# Altium PCB RCJ22_driverboard_2.PcbDoc (part 3 of 3)
Units mm, origin at the board's own origin, x right, y up, seen from the top; angles counter-clockwise.
Board outline 91 x 109.68 mm, 4 copper layers (Top Layer, Layer 1, Layer 2, Bottom Layer), stack 1.283 mm thick; 182 components, 135 nets, 669 pads, 306 vias.
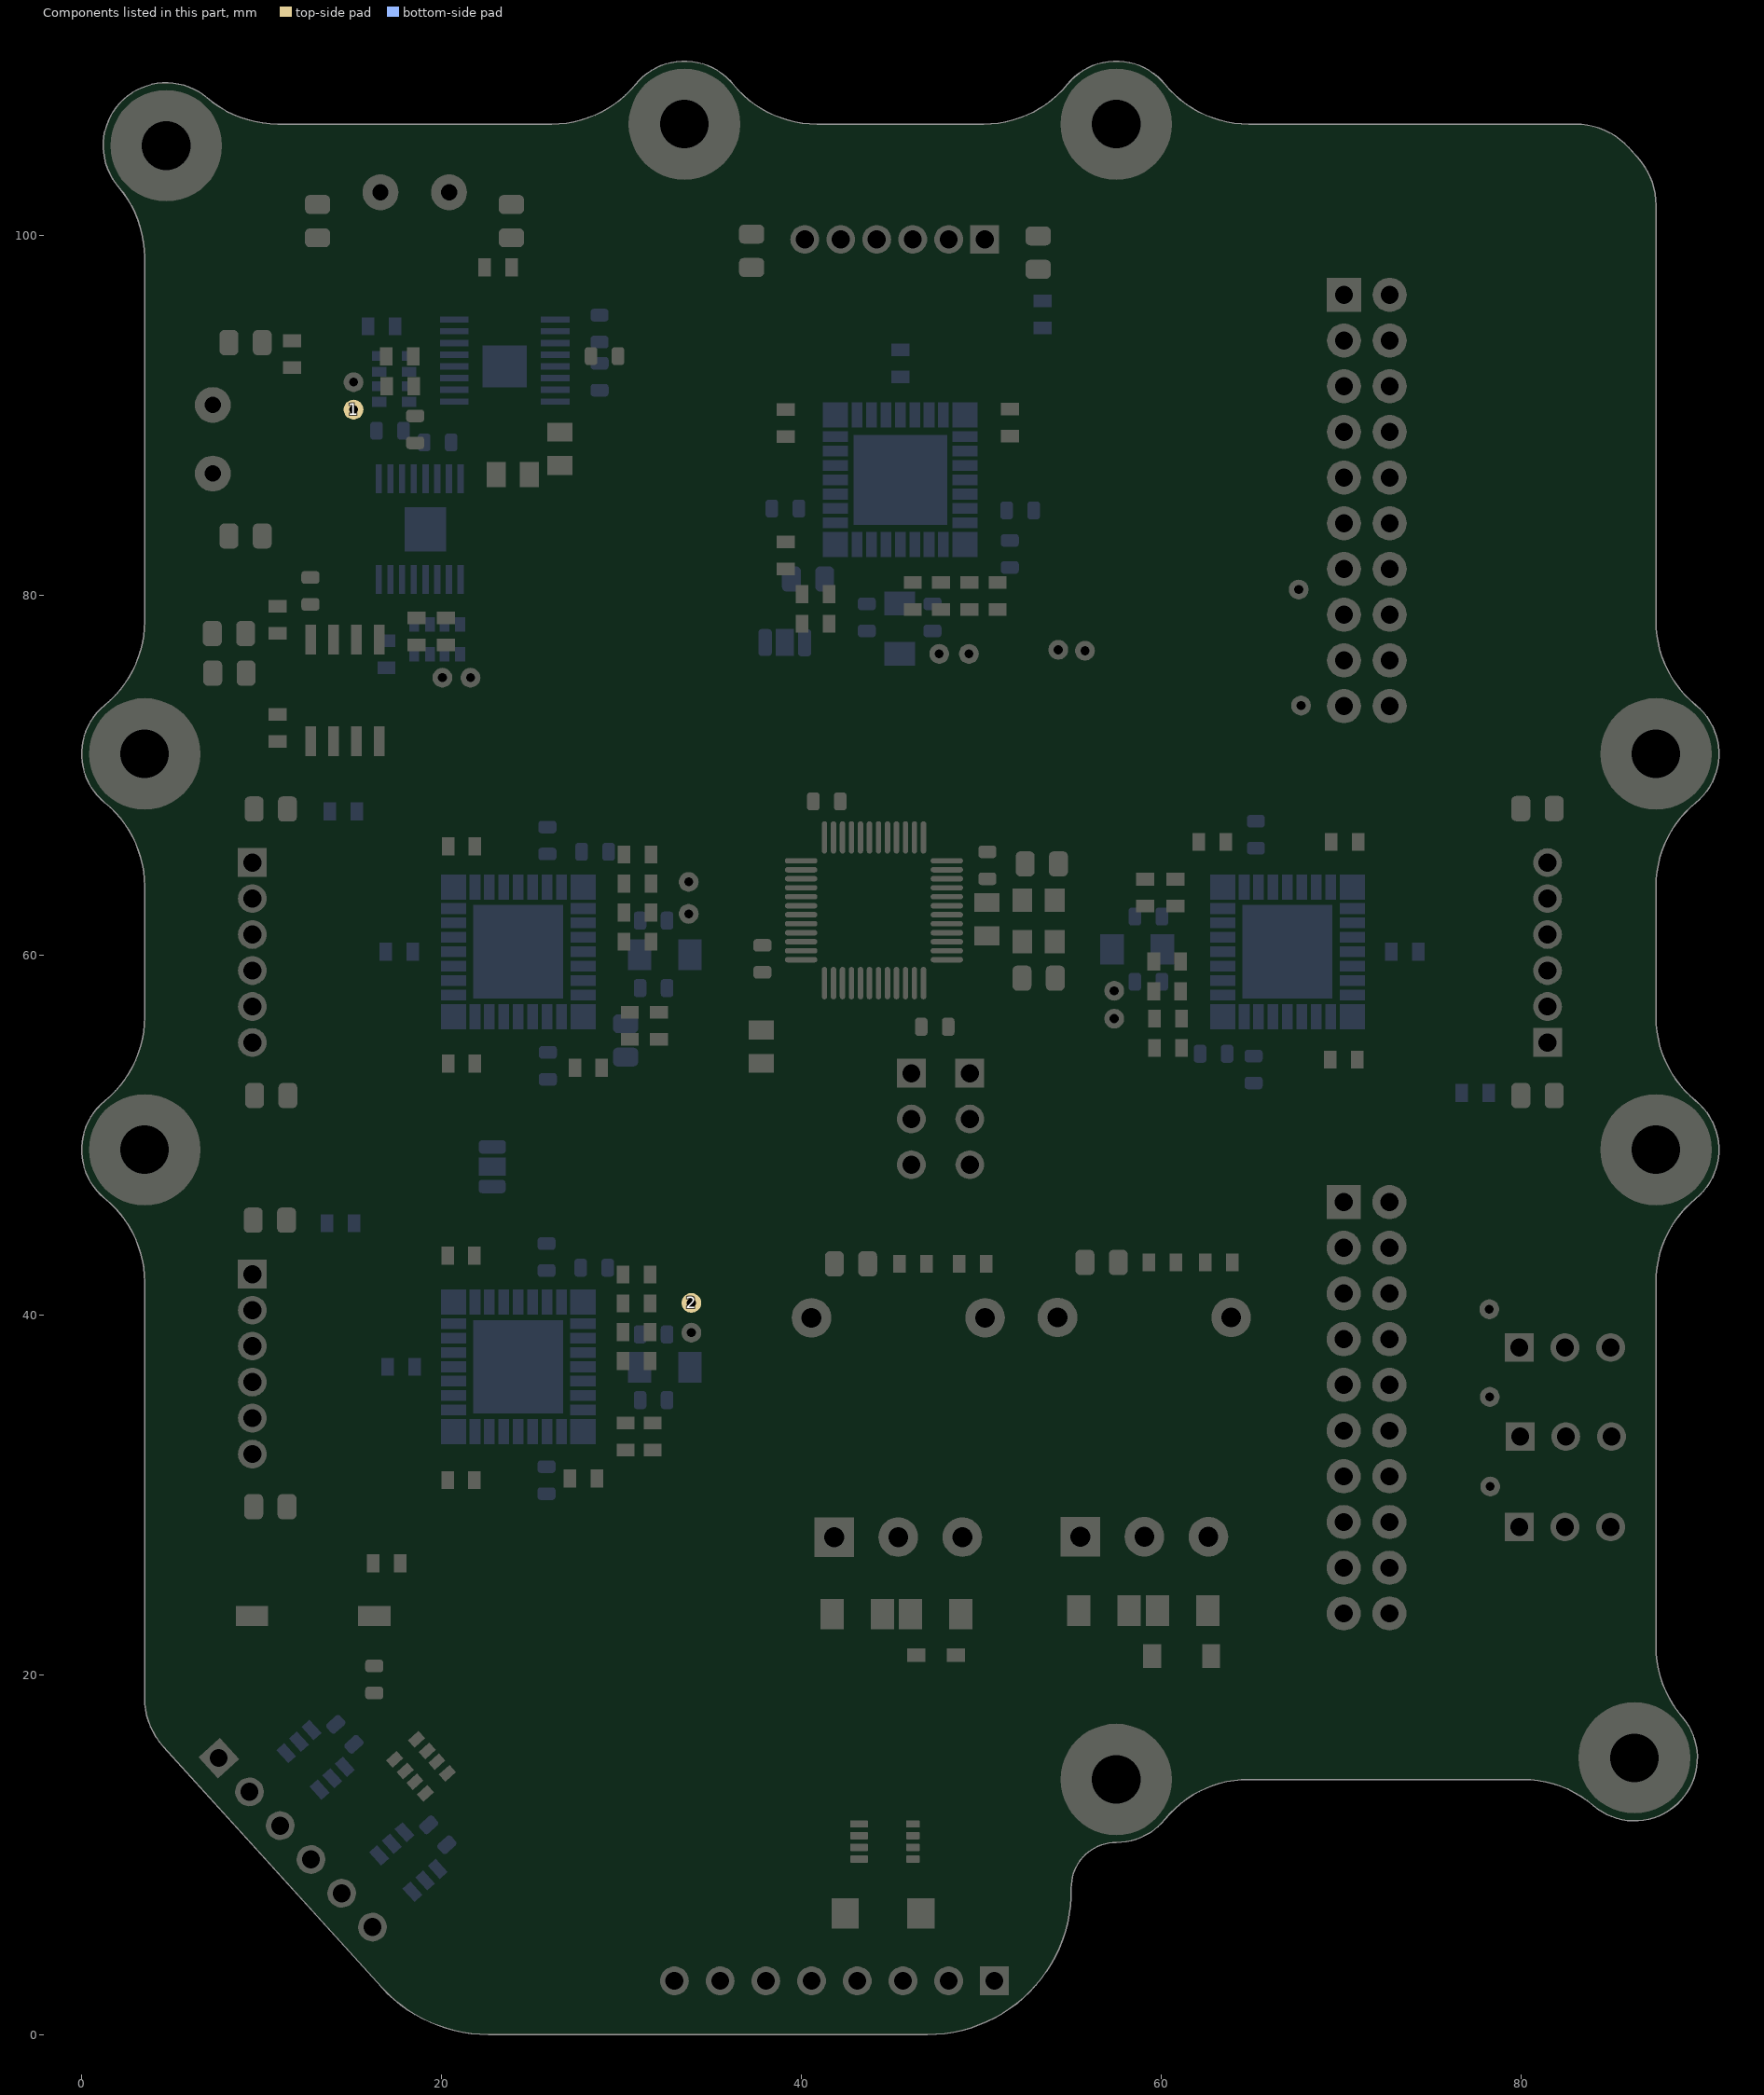
[diagram p5: the components of this part, seen from the top]

## Polygon pours and split planes (outlines as drawn)
GND on Bottom Layer "Bottom Layer-GND" (solid, remove dead copper, pour order 41): 0,111.559 0,0 89.575,0 89.575,110.059
+14,4В on Bottom Layer "Bottom Layer-+14,4В" (solid, pour order 21): 25.526,67.388 25.517,63.013 26.4,63.013 26.4,64.713 28.975,64.712 28.975,61.388 27.2,61.388 27.175,61.363 27.175,58.988 27.2,58.963 28.975,58.963 28.975,55.438 26.4,55.438 26.4,57.313 26.425,57.338 26.35,57.413 25.675,57.413 25.675,53.988 26.225,53.438 32.136,53.437 32.136,67.387
+14,4В on Bottom Layer "Bottom Layer-+14,4В 6" (solid, pour order 25): 27.51,53.763 27.51,44.225 32.125,44.225 32.125,53.733
NetDD10_10 on Bottom Layer "Bottom Layer-NetDD10_10" (solid, pour order 16): 5.5,88.575 9.3,88.575 10.925,86.95 16.125,86.95 16.125,87.475 16.825,87.475 16.825,85.5 16.9,85.503 17.425,85.503 17.425,88.965 15.135,88.965 11.45,92.65 5.5,92.65
MOTOR4_1 on Bottom Layer "Bottom Layer-MOTOR4_2 1" (solid, pour order 36): 12.725,52.675 15.3,50.1 22.75,50.1 25.45,52.8 25.45,57.4 22.425,57.4 22.425,55.45 19.93,55.45 19.105,56.275 8.1,56.275 7.875,56.05 7.875,52.65 12.7,52.65
+14,4В on Bottom Layer "Bottom Layer-+14,4В 1" (solid, remove dead copper, pour order 28): 17.4,88.975 17.4,85.6 18.125,85.6 18.125,87.425 22.935,87.425 27.825,82.535 27.825,79.9 32.175,79.9 32.175,83.667 26.092,89.75 18.175,89.75
NetDD11_8 on Bottom Layer "Bottom Layer-NetDD11_8" (solid, pour order 10): 21.6,95.025 21.625,95.05 21.625,96.025 18.275,99.375 18.275,104.359 14.525,104.359 14.525,96.875 16.375,95.025 19.725,95.025
+14,4В on Bottom Layer "Bottom Layer-+14,4В" (solid, pour order 23): 52.713,85.154 48.338,85.163 48.338,84.28 50.038,84.28 50.037,81.705 46.713,81.705 46.713,83.48 46.688,83.505 44.313,83.505 44.288,83.48 44.288,81.705 40.763,81.705 40.763,84.28 42.638,84.28 42.663,84.255 42.738,84.33 42.738,85.005 39.313,85.005 38.763,84.455 38.762,79.105 52.713,79.105
+14,4В on Bottom Layer "Bottom Layer-+14,4В" (solid, pour order 24): 65.774,52.963 65.783,57.338 64.9,57.338 64.9,55.638 62.325,55.638 62.325,58.963 64.1,58.963 64.125,58.987 64.125,61.363 64.1,61.387 62.325,61.387 62.325,64.912 64.9,64.912 64.9,63.037 64.875,63.013 64.95,62.937 65.625,62.937 65.625,66.363 65.075,66.912 59.725,66.913 59.725,52.963
+14,4В on Bottom Layer "Bottom Layer-+14,4В" (solid, pour order 5): 24.979,44.35 24.971,39.975 26.675,39.975 26.675,41.675 28.825,41.675 28.825,38.35 27.05,38.35 27.025,38.325 27.025,35.95 27.05,35.925 28.825,35.925 28.825,32.4 26.25,32.4 26.25,34.275 26.275,34.3 26.2,34.375 25.525,34.375 25.525,30.95 26.075,30.4 31.575,30.4 31.575,44.35
NetDD11_10 on Bottom Layer "Bottom Layer-NetDD11_10" (solid, pour order 14): 27.375,94.375 28.5,94.375 29.575,95.45 29.575,100.225 25.425,104.375 18.2,104.375 18.2,99.65 24.425,99.65 27.375,96.7 27.375,94.95 25.4,94.95 25.4,94.375
+14,4В on Bottom Layer "Bottom Layer-+14,4В 3" (solid, pour order 29): 25.429,94.35 25.429,93.775 27.25,93.775 27.425,93.6 27.425,84.33 31.175,84.33 31.175,93.625 30.4,94.4
MOTOR3_1 on Bottom Layer "Bottom Layer-MOTOR3_1" (solid, pour order 15): 36.226,86.824 37.75,85.3 42.75,85.3 42.75,88.375 42.737,88.362 40.65,88.362 40.65,90.8 41.15,91.3 41.15,101 38.2,101 38.2,97.05 36.226,95.076
MOTOR2_1 on Bottom Layer "Bottom Layer-MOTOR2_1" (solid, pour order 11): 82.975,64.25 82.975,67.05 82.675,67.35 78.375,67.35 76.275,69.45 67.2,69.45 65.95,68.2 65.95,62.975 68.975,62.975 68.975,65.15 71.825,65.15 72.725,64.25
MOTOR1_2 on Bottom Layer "Bottom Layer-MOTOR1_2" (solid, remove dead copper, pour order 8): 22.275,42.075 22.275,40.1 22.55,39.825 25.425,39.825 25.425,45.075 24.021,46.479 14.479,46.479 12.85,44.85 12.85,41.069 18.611,41.069 19.618,42.075
MOTOR3_2 on Bottom Layer "Bottom Layer-MOTOR3_2 1" (solid, pour order 7): 48.25,85.275 54.15,85.275 54.799,85.924 54.799,96.541 52,99.339 52,101.25 49.175,101.25 49.15,101.225 49.15,97.1 49.15,91.55 49.55,91.55 50.3,90.8 50.3,88.375 48.275,88.375 48.25,88.35
MOTOR2_2 on Bottom Layer "Bottom Layer-MOTOR2_2" (solid, pour order 6): 67.175,51.05 77.45,51.05 79.625,53.225 82.85,53.225 82.85,56.275 78.325,56.275 78.325,56.325 72.425,56.325 72.425,55.7 72.05,55.325 69.025,55.325 69.025,57.425 65.725,57.425 65.725,52.5
MOTOR4_2 on Bottom Layer "Bottom Layer-MOTOR4_1" (solid, pour order 3): 22.325,65.025 22.325,62.925 25.475,62.925 25.475,65.075 25.475,67.675 24.1,69.05 14.3,69.05 13.625,68.375 13.625,66.75 7.875,66.75 7.875,64 18.9,64 19.925,65.025
NetDD10_8 on Bottom Layer "Bottom Layer-NetDD10_8" (solid, pour order 13): 11.75,81.217 16.84,81.217 16.84,79.2 9.45,79.2 5.5,83.15 5.5,88.575 9.575,88.575 11.75,86.4
+14,4В on Bottom Layer "Bottom Layer-+14,4В 2" (solid, pour order 30): 31.575,31.05 31.6,31.025 31.6,8.995 30.18,7.575 24.675,7.575 24.675,13.875 26.175,15.375 26.85,16.05 26.85,31
MOTOR1_1 on Bottom Layer "Bottom Layer-MOTOR1_1" (solid, pour order 22): 14.875,26.85 22.025,26.85 25.425,30.25 25.425,34.4 22.35,34.4 22.35,32.1 19.75,32.1 18.825,33.025 12.85,33.025 7.65,33.025 7.65,30.65 11.075,30.65
no net on Bottom Layer "Bottom Layer-No Net 3" (solid, pour order 40): 12.725,55.45 8.162,55.45 8.15,55.438 8.15,52.675 12.725,52.675
MOTOR1_2 on Bottom Layer "Bottom Layer-MOTOR1_2 1" (solid, pour order 4): 13.339,43.9 7.775,43.9 7.775,41.05 13.31,41.05
+14,4В on Bottom Layer "Bottom Layer-+14,4В 4" (solid, pour order 27): 52.525,79.113 52.525,83.475 61.154,83.475 63.375,81.254 63.375,66.325 59.725,66.325 59.725,77.624 58.249,79.103
+14,4В on Bottom Layer "Bottom Layer-+14,4В 5" (solid, pour order 26): 26.725,67.235 26.725,83.438 39.037,83.438 39.038,79.113 39.025,79.1 33.08,79.104 32.175,78.2 32.175,67.217
GND on Top Layer "Top Layer-GND" (solid, remove dead copper, pour order 38): 0,110.133 0,0 92.25,0 92.25,110.387
+14,4В on Top Layer "Top Layer-+14,4В 1" (solid, pour order 35): 55.25,20.5 39.5,20.5 39.5,13.65 55.119,13.65
+14,4В on Top Layer "Top Layer-+14,4В 2" (solid, pour order 34): 52.85,16.026 54.801,16.026 57.3,18.525 57.3,25 52.85,25
+14,4В_BATTERY on Top Layer "Top Layer-+14,4В_BATTERY" (solid, remove dead copper, pour order 17): 55.45,7.925 57.875,7.925 57.875,13.336 43.9,13.283 43.9,7.925 44.45,7.925 44.45,0.012 55.45,0.012
+3,3В on Top Layer "Top Layer-+3,3В" (solid, pour order 37): 47.275,20.175 53.2,20.175 53.2,32.05 47.275,32.05
+14,4В on Top Layer "Top Layer-+14,4В 3" (solid, pour order 33): 52.85,29.888 52.85,21.59 57.35,21.59 57.35,29.915
+5В on Top Layer "Top Layer-+5В" (solid, pour order 31): 61.05,29.438 61.05,19.1 61.075,19.075 66.275,19.075 66.275,29.363
+14,4В on Top Layer "Top Layer-+14,4В" (solid, remove dead copper, pour order 19): 35.6,7.6 38.2,10.2 43.55,10.2 43.55,30.058 37.65,30.058 37.65,18.253 35.865,16.417 27.179,16.386 24.875,14.074 24.875,7.6
GND on Layer 2 "GND_L03_P043" (solid, remove dead copper, pour order 43): 0,116.65 0,0 94.525,0 94.525,116.65
GND on Layer 1 "GND_L02_P042" (solid, remove dead copper, pour order 42): 0,117.25 0,0 92.55,0 92.8,0.25 92.8,116.55

## Keep-outs
Keep-Out Layer:
  lines w0.1: 1.334,46.517 cw(c-2.488,41.827) 3.563,41.827 ; 1.334,46.517 ccw(c1.302,46.479) 1.333,46.518 ; 1.333,46.518 ccw(c3.512,49.192) 1.334,46.517 ; 1.333,46.518 cw(c3.512,49.192) 1.333,51.867 ; 1.334,46.517 cw(c-2.488,41.827) 3.563,41.827 ; 1.334,46.517 ccw(c1.302,46.479) 1.333,46.518 ; 1.333,46.518 ccw(c3.512,49.192) 1.334,46.517 ; 1.333,46.518 cw(c3.512,49.192) 1.333,51.867 ; 1.334,51.867 ccw(c-2.488,56.558) 3.563,56.558 ; 1.334,51.867 ccw(c-2.488,56.558) 1.334,51.867 ; 1.334,51.867 ccw(c1.302,51.906) 1.334,51.867 ; 1.333,51.867 ccw(c1.302,51.906) 1.334,51.867 ; 1.334,51.867 ccw(c3.512,49.192) 1.333,51.867 ; 1.334,51.867 ccw(c-2.488,56.558) 3.563,56.558 ; 1.334,51.867 ccw(c-2.488,56.558) 1.334,51.867 ; 1.334,51.867 ccw(c1.302,51.906) 1.334,51.867 ; 1.333,51.867 ccw(c1.302,51.906) 1.334,51.867 ; 1.334,51.867 ccw(c3.512,49.192) 1.333,51.867 ; 1.334,68.517 ccw(c-2.488,63.827) 1.334,68.517 ; 1.334,68.517 cw(c-2.488,63.827) 3.563,63.827 ; 1.334,68.517 ccw(c1.302,68.479) 1.334,68.517 ; 1.334,68.517 ccw(c1.302,68.479) 1.333,68.518 ; 1.334,68.517 ccw(c-2.488,63.827) 1.334,68.517 ; 1.334,68.517 cw(c-2.488,63.827) 3.563,63.827 ; 1.334,68.517 ccw(c1.302,68.479) 1.334,68.517 ; 1.334,68.517 ccw(c1.302,68.479) 1.333,68.518 ; 1.333,68.518 ccw(c3.512,71.192) 1.334,68.517 ; 1.333,68.518 cw(c3.512,71.192) 1.333,73.867 ; 1.333,68.518 ccw(c3.512,71.192) 1.334,68.517 ; 1.333,68.518 cw(c3.512,71.192) 1.333,73.867 ; 1.334,73.867 ccw(c-2.488,78.558) 3.563,78.558 ; 1.333,73.867 ccw(c1.302,73.906) 1.334,73.867 ; 1.334,73.867 ccw(c3.512,71.192) 1.333,73.867 ; 1.334,73.867 ccw(c-2.488,78.558) 3.563,78.558 ; 1.333,73.867 ccw(c1.302,73.906) 1.334,73.867 ; 1.334,73.867 ccw(c3.512,71.192) 1.333,73.867 ; 2.098,102.742 cw(c-2.488,98.795) 3.563,98.795 ; 2.097,102.742 ccw(c4.712,104.992) 2.098,102.742 ; 2.097,102.742 cw(c4.712,104.992) 6.963,107.607 ; 2.098,102.742 ccw(c2.06,102.709) 2.097,102.742 ; 2.098,102.742 ccw(c2.06,102.709) 2.097,102.742 ; 2.098,102.742 cw(c-2.488,98.795) 3.563,98.795 ; 2.097,102.742 ccw(c4.712,104.992) 2.098,102.742 ; 2.097,102.742 cw(c4.712,104.992) 6.963,107.607 ; 2.098,102.742 ccw(c2.06,102.709) 2.097,102.742 ; 2.098,102.742 ccw(c2.06,102.709) 2.097,102.742 ; 3.563,18.713 ccw(c7.512,18.713) 4.587,16.059 ; 3.563,18.713 3.563,41.827 ; 3.563,18.713 3.563,41.827 ; 3.563,56.558 3.563,63.827 ; 3.563,56.558 3.563,63.827 ; 3.563,78.558 3.563,98.795 ; 3.563,78.558 3.563,98.795 ; 4.587,16.059 ccw(c4.55,16.026) 4.587,16.059 ; 4.587,16.059 4.587,16.059 ; 4.587,16.059 16.729,2.672 ; 4.587,16.059 16.729,2.672 ; 6.963,107.607 ccw(c6.996,107.645) 6.963,107.607 ; 6.963,107.607 ccw(c10.91,112.192) 10.91,106.142 ; 6.963,107.607 ccw(c4.712,104.992) 6.963,107.607 ; 6.963,107.607 ccw(c6.996,107.645) 6.963,107.607 ; 6.963,107.607 ccw(c10.91,112.192) 10.91,106.142 ; 6.963,107.607 ccw(c4.712,104.992) 6.963,107.607 ; 10.91,106.142 26.147,106.142 ; 10.91,106.142 26.147,106.142 ; 16.729,2.672 cw(c16.692,2.638) 16.729,2.671 ; 16.729,2.672 cw(c16.692,2.638) 16.729,2.672 ; 16.729,2.672 cw(c16.692,2.638) 16.729,2.671 ; 16.729,2.672 cw(c16.692,2.638) 16.729,2.672 ; 16.729,2.672 16.729,2.672 ; 16.729,2.672 16.729,2.672 ; 16.729,2.671 ccw(c22.618,8.013) 22.618,0.063 ; 16.729,2.671 cw(c22.618,8.013) 16.729,2.672 ; 16.729,2.671 ccw(c22.618,8.013) 22.618,0.063 ; 16.729,2.671 cw(c22.618,8.013) 16.729,2.672 ; 22.618,0.063 47.014,0.063 ; 22.618,0.063 47.014,0.063 ; 26.147,106.142 ccw(c26.147,112.192) 30.838,108.371 ; 26.147,106.142 ccw(c26.147,112.192) 30.838,108.371 ; 30.838,108.371 cw(c33.512,106.192) 36.187,108.371 ; 30.838,108.371 cw(c33.512,106.192) 36.187,108.371 ; 36.187,108.371 ccw(c40.878,112.192) 40.878,106.142 ; 36.187,108.371 ccw(c40.878,112.192) 40.878,106.142 ; 40.878,106.142 50.147,106.142 ; 40.878,106.142 50.147,106.142 ; 47.014,0.063 ccw(c47.014,8.013) 54.964,8.013 ; 47.014,0.063 ccw(c47.014,8.013) 54.964,8.013 ; 50.147,106.142 ccw(c50.147,112.192) 54.837,108.371 ; 50.147,106.142 ccw(c50.147,112.192) 54.837,108.371 ; 54.837,108.371 ccw(c54.799,108.403) 54.838,108.371 ; 54.837,108.371 ccw(c54.799,108.403) 54.838,108.372 ; 54.837,108.371 ccw(c50.147,112.192) 54.838,108.371 ; 54.837,108.371 ccw(c54.799,108.403) 54.838,108.371 ; 54.837,108.371 ccw(c54.799,108.403) 54.838,108.372 ; 54.837,108.371 ccw(c50.147,112.192) 54.838,108.371 ; 54.838,108.371 cw(c57.512,106.192) 54.838,108.372 ; 54.838,108.371 cw(c57.512,106.192) 54.838,108.372 ; 54.838,108.372 cw(c57.512,106.192) 60.187,108.372 ; 54.838,108.372 cw(c57.512,106.192) 60.187,108.372 ; 54.963,8.149 cw(c55.013,8.149) 54.963,8.149 ; 54.963,8.148 cw(c55.013,8.149) 54.963,8.149 ; 54.963,8.148 ccw(c47.014,8.013) 54.963,8.149 ; 54.963,8.148 cw(c47.014,8.013) 54.964,8.013 ; 54.963,8.149 cw(c57.512,8.192) 54.963,8.149 ; 54.963,8.149 cw(c55.013,8.149) 54.963,8.149 ; 54.963,8.148 cw(c55.013,8.149) 54.963,8.149 ; 54.963,8.148 ccw(c47.014,8.013) 54.963,8.149 ; 54.963,8.148 cw(c47.014,8.013) 54.964,8.013 ; 54.963,8.149 cw(c57.512,8.192) 54.963,8.149 ; 54.963,8.149 cw(c57.512,8.192) 57.512,10.742 ; 54.963,8.149 cw(c57.512,8.192) 57.512,10.742 ; 57.512,10.742 ccw(c57.512,14.192) 60.187,12.013 ; 57.512,10.742 ccw(c57.512,14.192) 60.187,12.013 ; 60.187,12.013 cw(c60.226,11.982) 60.187,12.013 ; 60.187,12.013 ccw(c57.512,14.192) 60.187,12.013 ; 60.187,12.013 cw(c60.226,11.982) 60.187,12.013 ; 60.187,12.013 ccw(c57.512,14.192) 60.187,12.013 ; 60.187,108.372 ccw(c60.226,108.403) 60.187,108.371 ; 60.187,108.372 cw(c57.512,106.192) 60.187,108.371 ; 60.187,108.372 ccw(c60.226,108.403) 60.187,108.371 ; 60.187,108.372 cw(c57.512,106.192) 60.187,108.371 ; 60.187,12.013 cw(c64.878,8.192) 64.878,14.242 ; 60.187,12.013 cw(c64.878,8.192) 64.878,14.242 ; 60.187,108.371 ccw(c64.878,112.192) 64.878,106.142 ; 60.187,108.371 ccw(c64.878,112.192) 64.878,106.142 ; 64.878,14.242 80.115,14.242 ; 64.878,14.242 80.115,14.242 ; 64.878,106.142 83.04,106.142 ; 64.878,106.142 83.04,106.142 ; 80.115,14.242 cw(c80.115,8.192) 84.062,12.778 ; 80.115,14.242 cw(c80.115,8.192) 84.062,12.778 ; 83.04,106.142 cw(c83.04,102.192) 85.966,104.846 ; 83.04,106.142 cw(c83.04,102.192) 85.966,104.846 ; 84.062,12.778 ccw(c86.312,15.392) 84.062,12.777 ; 84.062,12.778 cw(c84.029,12.74) 84.062,12.777 ; 84.062,12.778 ccw(c86.312,15.392) 84.062,12.777 ; 84.062,12.778 cw(c84.029,12.74) 84.062,12.777 ; 84.062,12.777 ccw(c86.312,15.392) 89.762,15.392 ; 84.062,12.777 ccw(c86.312,15.392) 89.762,15.392 ; 85.966,104.846 cw(c83.04,102.192) 85.966,104.846 ; 85.966,104.846 ccw(c86.003,104.88) 85.966,104.846 ; 85.966,104.846 cw(c83.04,102.192) 85.966,104.846 ; 85.966,104.846 ccw(c86.003,104.88) 85.966,104.846 ; 85.966,104.846 ccw(c86.003,104.88) 85.966,104.846 ; 85.966,104.846 ccw(c86.003,104.88) 85.966,104.846 ; 85.966,104.846 85.966,104.846 ; 85.966,104.846 86.438,104.325 ; 85.966,104.846 85.966,104.846 ; 85.966,104.846 86.438,104.325 ; 86.438,104.325 ccw(c86.475,104.359) 86.438,104.325 ; 86.438,104.325 ccw(c86.475,104.359) 86.438,104.325 ; 86.438,104.325 86.438,104.325 ; 86.438,104.325 86.438,104.325 ; 86.438,104.325 cw(c83.512,101.671) 87.462,101.671 ; 86.438,104.325 cw(c83.512,101.671) 87.462,101.671 ; 87.462,21.59 ccw(c93.513,21.59) 88.927,17.643 ; 87.462,21.59 ccw(c93.513,21.59) 88.927,17.643 ; 87.462,21.59 87.462,41.827 ; 87.462,21.59 87.462,41.827 ; 87.462,41.827 cw(c93.512,41.827) 89.691,46.517 ; 87.462,41.827 cw(c93.512,41.827) 89.691,46.517 ; 87.462,56.558 ccw(c93.512,56.558) 89.691,51.867 ; 87.462,56.558 ccw(c93.512,56.558) 89.691,51.867 ; 87.462,56.558 87.462,63.827 ; 87.462,56.558 87.462,63.827 ; 87.462,63.827 cw(c93.512,63.827) 89.691,68.517 ; 87.462,63.827 cw(c93.512,63.827) 89.691,68.517 ; 87.462,78.558 ccw(c93.512,78.558) 89.691,73.867 ; 87.462,78.558 ccw(c93.512,78.558) 89.691,73.867 ; 87.462,78.558 87.462,101.671 ; 87.462,78.558 87.462,101.671 ; 88.927,17.643 cw(c86.312,15.392) 88.928,17.643 ; 88.927,17.643 ccw(c88.965,17.676) 88.928,17.643 ; 88.927,17.643 cw(c86.312,15.392) 88.928,17.643 ; 88.927,17.643 ccw(c88.965,17.676) 88.928,17.643 ; 88.928,17.643 cw(c86.312,15.392) 89.762,15.392 ; 88.928,17.643 cw(c86.312,15.392) 89.762,15.392 ; 89.692,46.518 ccw(c87.512,49.192) 90.962,49.192 ; 89.691,46.517 ccw(c87.512,49.192) 89.692,46.518 ; 89.692,46.518 ccw(c89.723,46.479) 89.691,46.517 ; 89.692,46.518 ccw(c87.512,49.192) 90.962,49.192 ; 89.691,46.517 ccw(c87.512,49.192) 89.692,46.518 ; 89.692,46.518 ccw(c89.723,46.479) 89.691,46.517 ; 89.691,51.867 ccw(c89.723,51.906) 89.691,51.867 ; 89.691,51.867 ccw(c93.512,56.558) 89.691,51.867 ; 89.692,51.867 ccw(c87.512,49.192) 89.691,51.867 ; 89.692,51.867 cw(c87.512,49.192) 90.962,49.192 ; 89.691,51.867 ccw(c89.723,51.906) 89.692,51.867 ; 89.691,51.867 ccw(c89.723,51.906) 89.691,51.867 ; 89.691,51.867 ccw(c93.512,56.558) 89.691,51.867 ; 89.692,51.867 ccw(c87.512,49.192) 89.691,51.867 ; 89.692,51.867 cw(c87.512,49.192) 90.962,49.192 ; 89.691,51.867 ccw(c89.723,51.906) 89.692,51.867 ; 89.691,68.517 cw(c89.723,68.479) 89.692,68.518 ; 89.691,68.517 cw(c89.723,68.479) 89.691,68.517 ; 89.691,68.517 cw(c93.512,63.827) 89.691,68.517 ; 89.691,68.517 cw(c89.723,68.479) 89.692,68.518 ; 89.691,68.517 cw(c89.723,68.479) 89.691,68.517 ; 89.691,68.517 cw(c93.512,63.827) 89.691,68.517 ; 89.692,68.518 ccw(c87.512,71.192) 90.962,71.192 ; 89.691,68.517 ccw(c87.512,71.192) 89.692,68.518 ; 89.692,68.518 ccw(c87.512,71.192) 90.962,71.192 ; 89.691,68.517 ccw(c87.512,71.192) 89.692,68.518 ; 89.692,73.867 ccw(c87.512,71.192) 89.691,73.867 ; 89.692,73.867 cw(c87.512,71.192) 90.962,71.192 ; 89.691,73.867 ccw(c89.723,73.906) 89.692,73.867 ; 89.692,73.867 ccw(c87.512,71.192) 89.691,73.867 ; 89.692,73.867 cw(c87.512,71.192) 90.962,71.192 ; 89.691,73.867 ccw(c89.723,73.906) 89.692,73.867

## Other copper
Top Layer:
  pour cut-out: 27.425,56.775 27.475,56.825 29.7,56.825 29.7,54.748 29.602,54.65 28.436,54.65
  pour cut-out: 70.625,70.225 70.625,69 70.547,68.922 61.7,68.922 61.7,70.052 61.861,70.213
  pour cut-out: 57.95,66.25 61.388,66.25 61.388,69.845 61.418,69.875 61.397,69.896 57.888,69.896
  pour cut-out: 19.975,69.9 25.014,69.9 25.697,70.583 25.608,70.672 25.608,74.25 19.8,74.25
  pour cut-out: 67.672,27.307 76.123,27.307 76.35,27.08 76.316,27.046 76.316,22.947 67.751,22.947 67.654,23.045
  pour cut-out: 19.474,45.524 38.479,45.524 38.479,47.968 38.8,48.289 38.564,48.525 19.481,48.525
  pour cut-out: 53.075,59.725 55.314,59.725 55.336,59.703 55.336,56.275 53.073,56.275
  pour cut-out: 45.975,49.9 45.986,49.889 49.596,49.889 49.596,47.559 49.364,47.326 45.975,47.326
  pour cut-out: 57.205,44.754 57.205,41.615 57.19,41.6 57.312,41.477 64.704,41.477 64.704,44.542 64.852,44.69
  pour cut-out: 3.85,92.825 3.875,92.8 5.576,92.8 5.576,87.989 5.079,87.492 3.982,87.492
  pour cut-out: 13.175,94.05 14.591,94.05 14.6,94.059 14.6,89.367 13.108,89.367 13.1,89.375
  pour cut-out: 9.244,83.261 10.339,82.166 10.339,80.15 13.291,80.15 13.637,80.497 13.5,80.634 13.5,85.32
  pour cut-out: 42.4,79.8 42.575,79.975 46.7,79.975 46.7,76.875 46.425,76.6 42.506,76.6
  pour cut-out: 50.35,67.2 50.349,67.199 50.349,64.795 54.508,64.795 54.714,65.001 54.714,67.134
  pour cut-out: 57.75,27.65 57.76,27.66 60.762,27.66 60.762,29.538 60.242,30.058 60.207,30.023 57.895,30.023
  pour cut-out: 61.85,60.55 61.842,60.558 61.842,61.093 57.981,61.093 57.961,61.113 57.961,58.792 61.843,58.792 61.929,58.878
  pour cut-out: 59.524,54.05 59.639,53.935 62.855,53.935 62.855,50.681 62.844,50.67 59.678,50.67
  pour cut-out: 37.597,80.864 37.597,77.265 36.17,75.838 22.842,75.838 22.842,78.87 28.213,84.24 37.385,84.24
  pour cut-out: 14.875,70.6 14.877,70.598 14.877,64.861 11.443,64.861 11.434,64.852 11.434,70.566
  pour cut-out: 28.892,61.467 33.683,61.467 33.683,57.056 33.556,56.929
  pour cut-out: 39.4,77.625 39.4,77.153 39.346,77.099 42.299,77.099 42.299,77.524 42.3,77.525
  pour cut-out: 56.975,71.875 56.975,69.551 50.349,69.551 49.596,70.304 49.596,71.988
  pour cut-out: 57.925,63.525 58.575,63.525 58.625,63.475 58.546,63.396 58.546,61.974 57.933,61.974 57.888,61.928
  pour cut-out: 68.85,53.3 72.61,53.3 72.71,53.2 72.694,53.184 72.694,47.995
  pour cut-out: 35.4,58.375 35.446,58.329 37.162,58.329 37.162,57.504 37.045,57.387 37.032,57.4 35.436,57.4
  pour cut-out: 30.9,59.85 31.015,59.735 31.015,59.068 29.672,59.068 29.4,59.34 29.4,59.85
  pour cut-out: 33.502,61.374 33.502,58.897 35.23,60.625 35.23,61.201 35.057,61.374
  pour cut-out: 35.425,71.05 35.425,65.958 35.436,65.947 38.25,68.761 38.25,71.083
  pour cut-out: 14.2,19.725 14.225,19.75 15.775,19.75 15.775,24.164 14.177,25.762
  pour cut-out: 14.19,17.622 14.214,17.598 21.351,17.598 21.351,12.259 19.544,10.452 14.461,10.452 14.209,10.2
  pour cut-out: 61.958,50.692 62.866,50.692 62.844,50.67 62.844,49.365 61.998,49.365 61.974,49.341
  pour cut-out: 68.85,53.5 68.85,47.689 68.214,47.689 67.603,48.3 67.704,48.401 67.704,53.44
  pour cut-out: 80.698,67.532 81.152,67.532 81.152,68.552 81.116,68.588 80.734,68.588
  pour cut-out: 15.785,78.575 16.055,78.575 16.055,76.525 15.785,76.525
  pour cut-out: 31.175,57.375 31.4,57.375 31.4,56.275 31.175,56.275
  pour cut-out: 36.875,55.12 36.875,54.72 38.675,54.72 38.675,55.12
  pour cut-out: 46.35,61.425 49.925,61.425 49.925,55.3 49.9,55.275 46.425,55.275
  pour cut-out: 80.463,61.825 82.4,61.825 83.275,60.95 83.275,53.475 80.422,53.475 80.325,53.378
  pour cut-out: 77.166,57.025 82.609,57.025 82.609,42.619 81.59,41.6 77.05,41.6
  pour cut-out: 54.525,77.875 60.219,77.875 60.675,77.419 60.675,75.025 54.517,75.025 54.467,75.075
  pour cut-out: 74.3,30.778 74.322,30.8 76.7,30.8 76.7,26.112 76.35,25.762 76.337,25.775 74.275,25.775
  pour cut-out: 77.1,25.775 80.45,25.75 80.35,24.175 77.15,24.1
  pour cut-out: 68.725,87.75 74.425,87.75 74.425,72.576 73.424,71.575 68.65,71.575
  pour cut-out: 45.7,64.462 47.775,64.462 47.775,59.331 45.679,59.331
  pour cut-out: 68.625,47.96 74.3,47.96 74.3,22.225 74.35,22.175 74.3,22.125 71.575,22.125 71.575,24.8 68.75,24.8
Bottom Layer:
  pour cut-out: 73.95,48.8 74.095,48.655 87.512,48.655 87.512,34.496 78.859,34.496 78.859,26.843 74.61,26.843
  pour cut-out: 85.75,38.925 85.761,38.936 85.761,40.939 80.815,40.939 80.703,41.051 80.703,38.804
  pour cut-out: 32.235,33.815 36.839,33.815 36.839,28.052 32.567,28.052 32.335,27.82
  pour cut-out: 21.041,49.672 21.05,49.663 21.05,46.886 24.021,46.886 24.097,46.962 24.097,49.692 21.05,49.692
  pour cut-out: 9.575,52.025 9.712,51.888 9.712,48.525 13.856,48.525 13.048,49.333 13.048,52.033
  pour cut-out: 3.65,60.7 6.348,60.7 7.023,61.375 6.373,62.026 6.373,67.2 3.927,67.2 3.378,66.651
  pour cut-out: 30,98.175 30,94.737 30.074,94.663 30.087,94.675 32.477,94.675 32.477,98.009 32.311,98.175
  pour cut-out: 31.583,93.625 31.627,93.67 32.939,93.67 32.939,84.448 32.537,84.046 32.084,84.5 31.583,84.5
  pour cut-out: 30,98.175 33.643,98.175 39.177,103.71 39.125,103.762 39.125,108.9 30.15,108.9
  pour cut-out: 14.4,107 14.525,106.875 14.525,104.767 29.647,104.767 29.431,104.983 29.431,106.782
  pour cut-out: 14.3,106 14.3,94.037 14.238,93.975 1.575,93.975 1.575,106.475 1.7,106.6
  pour cut-out: 60.325,43.15 60.353,43.122 60.353,31.062 66.403,31.062 66.775,31.433 66.613,31.596 66.613,43.508
  pour cut-out: 42.4,70.725 42.453,70.672 44.148,70.672 44.148,68.118 43.682,67.652 42.411,67.652
  pour cut-out: 36.75,85.675 37.1,85.325 38.725,85.325 38.725,84.319 38.763,84.281 38.736,84.255 36.75,84.255
  pour cut-out: 34.77,58.87 34.77,56.425 34.832,56.487 39.664,56.487 39.664,59.928 39.317,60.275 34.739,60.275
  pour cut-out: 9.14,15.052 13.107,19.019 14.909,19.019 23.31,10.618 17.85,5.157
  pour cut-out: 10.539,12.611 10.575,12.575 12.475,12.575 12.475,14.289 12.089,14.675 12.038,14.625 10.573,14.625
  pour cut-out: 36.871,0.371 36.85,0.35 37.2,0 50.525,0 50.525,3.098 50.74,3.313 36.871,3.313
  pour cut-out: 39.574,60.252 39.574,59.551 39.523,59.5 40.225,59.5 40.225,60.293 40.294,60.363 39.739,60.363
  pour cut-out: 32.05,56.35 32.136,56.264 40.225,56.264 40.225,50.577 39.08,49.432 32.039,49.432
  pour cut-out: 31.8,61.425 34.79,61.425 35.9,62.535 35.9,68.875 31.833,68.875 31.8,68.908
  pour cut-out: 9.725,71.9 9.725,70.499 9.729,70.503 17.386,70.503 17.386,71.725 17.319,71.793
  pour cut-out: 38.2,4.975 38.225,5 40.841,5 40.841,8.471 40.396,8.917 38.2,8.917
  pour cut-out: 25.24,69.221 25.244,69.225 26.528,69.225 26.528,70.672 26.325,70.875 25.24,70.875
  pour cut-out: 25.24,69.519 25.24,68.125 25.125,68.125 24.475,68.775 24.475,69.615 25.144,69.615
  pour cut-out: 34.775,85.7 34.8,85.675 36.75,85.675 36.75,86.25 36.176,86.824 34.78,86.824 34.766,86.837
  pour cut-out: 43.375,59.425 48.5,59.425 50.227,57.699 50.227,56.403 43.323,56.403
  pour cut-out: 31.825,40.35 31.875,40.3 35.15,40.3 35.15,48.4 34.556,48.994 31.925,48.994
  pour cut-out: 42.025,78.95 42.025,75.2 41.872,75.047 40.497,75.047 40.497,78.922 40.525,78.95
  pour cut-out: 73.375,49.225 73.4,49.2 73.4,46.94 75.821,46.94 76.3,47.419 76.3,49.15
  pour cut-out: 49.75,75.75 52.775,75.75 53.125,75.4 53.1,75.375 53.1,73.3 49.875,73.3 49.775,73.4
  pour cut-out: 38.18,75.187 38.218,75.225 47.277,75.225 47.277,74.552 46.325,73.6 38.175,73.6
  pour cut-out: 68.63,47.725 74.025,47.725 74.025,22.321 73.479,21.775 73.454,21.8 71.538,21.8 71.538,24.49 71.548,24.5 68.175,24.5
  pour cut-out: 68.675,87.6 74.225,87.6 74.275,87.55 74.275,72.075 68.7,72.075 68.675,72.05

## Silkscreen, mask and mechanical layers (free items; w line width, h text height)
Top Overlay:
  drawing of 3838 lines, arcs and shapes, not listed
  text "1к" at 24.75,98.025 h1
  text "LOGIC AND SERVO" at 74.17,97.95 h1.8 r270
  text "LOGIC SERVO" at 62.25,97.15 h1.2
  text "MOTORS PLATFORM" at 56.625,97.125 h1.2
  text "MOTOR 6" at 15.625,96.975 h1.6
  text "+3,3В" at 56.875,95.875 h1
  text "+3,3В" at 59.225,95.85 h1
  text "+3,3В" at 64.9,95.85 h1
  text "+3,3В" at 62.575,95.825 h1
  text "MOTOR 3" at 40.075,94.275 h2.7
  text "10к" at 17.425,94.225 h1
  text "+3,3В" at 62.55,93.47 h1
  text "+5В" at 64.9,93.47 h1
  text "M1_1" at 56.875,93.445 h1
  text "M1_2" at 59.225,93.445 h1
  text "0,1мк" at 30.55,93.075 h1
  text "1к" at 12.7,92.95 h1
  text "M3_1" at 37.142,92.7 h1.1
  text "GND" at 39.492,92.7 h1.1
  text "ENC3" at 41.78,92.7 h1.1
  text "ENC_I3" at 44.367,92.7 h1.1
  text "M3_2" at 49.942,92.7 h1.1
  text "+3,3" at 47.675,92.65 h1.1
  text "PH2" at 12.45,91.425 h1.1
  text "GND" at 62.55,90.93 h1
  text "+5В" at 64.9,90.93 h1
  text "M2_1" at 56.875,90.905 h1
  text "M2_2" at 59.225,90.905 h1
  text "10к" at 52.625,89.325 h1
  text "10к" at 37.275,89.25 h1
  text "PWM2" at 13.5,88.675 h1.1
  text "GND" at 62.55,88.39 h1
  text "GND" at 64.9,88.39 h1
  text "M3_1" at 56.875,88.365 h1
  text "M3_2" at 59.225,88.365 h1
  text "0" at 27.825,87.975 h1
  text "0,1мк" at 17.775,86.95 h1
  text "TX" at 62.55,85.85 h1
  text "RX" at 64.9,85.85 h1
  text "M4_1" at 56.875,85.825 h1
  text "M4_2" at 59.225,85.825 h1
  text "MOTOR 5" at 12.725,85.75 h1.6 r90
  text "0" at 23.7,84.875 h1
  text "SRV2" at 64.525,83.325 h1
  text "BTN2" at 62.55,83.31 h1
  text "ENC1" at 56.875,83.285 h1
  text "ENC_I1" at 59.075,83.285 h1
  text "10к" at 37.15,81.925 h1
  text "C2" at 67,81.305 h1.1
  text "0,1мк" at 13.767,81.075 h1
  text "BTN1" at 62.575,80.77 h1
  text "SRV1" at 64.575,80.77 h1
  text "ENC2" at 56.875,80.745 h1
  text "ENC_I2" at 59.05,80.745 h1
  text "300" at 10.325,80.225 h1
  text "270" at 42.35,79.775 h1
  text "10к" at 42.35,78.225 h1
  text "PWM1" at 62.475,78.19 h1
  text "C2" at 64.9,78.19 h1
  text "ENC3" at 56.875,78.165 h1
  text "ENC_I3" at 59.05,78.165 h1
  text "47к" at 45.3,77.79 h1
  text "100" at 47.325,77.79 h1
  text "47к" at 50.425,77.775 h1
  text "100" at 48.85,77.75 h1
  text "10к" at 21.192,77.625 h1
  text "10к" at 16.767,77.6 h1
  text "PH1" at 62.55,75.725 h1
  text "PH2" at 64.9,75.725 h1
  text "ENC4" at 56.875,75.7 h1
  text "ENC_I4" at 59.05,75.7 h1
  text "RX" at 54.925,75.225 h1.1
  text "TX" at 53.175,75.2 h1.1
  text "M3_2" at 46.525,75.05 h1.1
  text "M3_1" at 48.725,75.025 h1.1
  text "C1" at 67.22,74.904 h1.1
  text "®" at 52.477,73.235 h2.5
  text "PWM2" at 64.675,73.05 h1
  text "C1" at 62.55,73.03 h1
  text "GND" at 56.875,73.005 h1
  text "SRV3" at 59.225,73.005 h1
  text "300" at 8.7,72.8 h1
  text "PH1" at 20.575,72.7 h1.1 r90
  text "PWM1" at 22.125,72.325 h1.1 r90
  text "StarLine" at 30.925,70.084 h8
  text "M2_1" at 74.35,68.333 h1.1 r270
  text "0,1мк" at 42.95,68.2 h1
  text "0,1мк" at 49.625,66.425 h1
  text "10к" at 64.4,66.2 h1
  text "GND" at 74.35,65.983 h1.1 r270
  text "10к" at 71.8,65.975 h1
  text "10к" at 22.692,65.775 h1
  text "MOTOR 2" at 75.925,65.4 h2.7 r270
  text "47к" at 32.348,65.15 h1
  text "47к" at 60.175,65.075 h1
  text "10к" at 58.575,65.05 h1
  text "M4_2" at 16.65,64.892 h1.1 r90
  text "ENC2" at 74.35,63.695 h1.1 r270
  text "M4_1" at 34.625,63.655 h1.1
  text "100" at 32.975,63.475 h1 r90
  text "+3,3" at 16.7,62.625 h1.1 r90
  text "100" at 32.95,61.867 h1 r90
  text "M4_2" at 34.675,61.867 h1.1
  text "ENC_I2" at 74.35,61.108 h1.1 r270
  text "47к" at 32.397,60.35 h1
  text "0,1мк" at 35.4,59.475 h1
  text "47к" at 57.75,59.425 h1
  text "ENC_I4" at 16.65,59.317 h1.1 r90
  text "M2_2" at 55.25,59.05 h1.1
  text "1М" at 49.93,58.5 h1
  text "100" at 58.225,58.5 h1 r270
  text "+3,3" at 74.3,57.8 h1.1 r270
  text "0,1мк" at 46.62,57.075 h1
  text "100" at 58.275,56.975 h1 r270
  text "ENC4" at 16.65,56.73 h1.1 r90
  text "M2_2" at 74.35,55.533 h1.1 r270
  text "M2_1" at 55.25,55.27 h1.1
  text "MOTOR 4" at 15.075,55.025 h2.7 r90
  text "0" at 36.2,54.55 h1
  text "47к" at 57.8,54.45 h1
  text "GND" at 16.65,54.442 h1.1 r90
  text "270" at 29.925,53.875 h1
  text "10к" at 31.641,53.872 h1
  text "10к" at 71.675,53.875 h1
  text "10к" at 22.742,53.7 h1
  text "10к" at 25.625,53.425 h1
  text "+3,3" at 50.6,52.65 h1.2
  text "+3,3" at 41.375,52.6 h1.2
  text "M4_1" at 16.65,52.092 h1.1 r90
  text "BOOT1" at 50.625,50.15 h1.2
  text "BOOT0" at 41.375,50.1 h1.2
  text "GND" at 50.6,47.6 h1.2
  text "MOTORS AND ENCODERS PLATFORM" at 74.17,47.575 h1.8 r270
  text "GND" at 41.375,47.55 h1.2
  text "360" at 62.85,45.125 h1
  text "360" at 59.62,45.1 h1
  text "300" at 45.625,44.975 h1
  text "1,8к" at 48.975,44.975 h1
  text "+3,3В" at 40.846,44.125 h1.9
  text "+5В" at 55.25,44.125 h1.9
  text "10к" at 22.6,43.022 h1
  text "M1_2" at 16.7,42.142 h1.1 r90
  text "47к" at 32.243,42.05 h1
  text "M1_1" at 34.625,40.23 h1.1
  text "100" at 32.95,40.125 h1 r90
  text "+3,3" at 16.75,39.875 h1.1 r90
  text "SERVO1" at 82,39.525 h1.2
  text "M1_2" at 34.7,38.605 h1.1
  text "100" at 32.95,38.525 h1 r90
  text "47к" at 32.292,37.25 h1
  text "ENC_I1" at 16.7,36.567 h1.1 r90
  text "SERVO2" at 82.025,34.5 h1.2
  text "ENC1" at 16.7,33.98 h1.1 r90
  text "MOTOR 1" at 15.125,32.275 h2.7 r90
  text "GND" at 16.7,31.692 h1.1 r90
  text "47к" at 29.65,31 h1
  text "10к" at 31.366,30.997 h1
  text "10к" at 25.391,30.547 h1
  text "10к" at 22.675,30.522 h1
  text "SERVO3" at 82.025,29.5 h1.2
  text "M1_1" at 16.7,29.342 h1.1 r90
  text "10к" at 14.3,26.15 h1
  text "S" at 78.375,25.325 h1.5
  text "+5В" at 80.8,25.325 h1.5
  text "GND" at 83.475,25.325 h1.5
  text "100мк" at 60.525,24.925 h1
  text "100мк" at 55.875,24.9 h1
  text "100мк" at 42.325,24.725 h1
  text "100мк" at 46.75,24.7 h1
  text "RESET" at 10.85,24.29 h1.5
  text "0,1мк" at 13.45,19.525 h1
  text "+3,3" at 9.15,15.675 h1.5 r42.54
  text "SWCLK" at 10.75,13.775 h1.5 r42.54
  text "100" at 20.05,12.8 h1
  text "GND" at 12.5,11.936 h1.5 r42.54
  text "SWDIO" at 14.25,10 h1.5 r42.54
  text "RST" at 15.975,8.136 h1.5 r42.54
  text "TRACE" at 17.6,6.275 h1.5 r42.54
  text "GND" at 31.74,4.313 h2.1
  text "BTN" at 37.315,4.313 h2.1
  text "+14,4" at 48.425,4.313 h2.1
Bottom Overlay:
  lines w0.2: 36.925,73.675 34.45,73.675 34.45,98.85 57.175,98.85 57.175,73.675 41.037,73.675 ; 12.2,51.1 12.2,70.325 37.275,70.325 37.275,51.1 12.2,51.1 ; 12.25,27.6 12.25,50.55 37.275,50.55 37.275,27.6 12.25,27.6 ; 12.775,73.225 12.775,98.85 32.975,98.85 32.975,73.225 12.775,73.225 ; 54.125,49.325 54.125,70.325 54.325,70.325 80.325,70.325 80.325,49.325 54.125,49.325
  text "MOTOR 6" at 18.58,96.9 h1.6
  text "0,1мк" at 29.475,96.375 h1
  text "MOTOR 3" at 44.736,95.046 h2.7
  text "2,5к" at 14.825,94.7 h1
  text "47к" at 46.025,94.625 h1
  text "1к" at 53.625,93.45 h1
  text "100" at 19.7,91.875 h1
  text "0,022мк" at 30.125,89.9 h1
  text "0,022мк" at 23.925,88.05 h1
  text "0,1мк" at 17.695,87.575 h1
  text "0,1мк" at 37.5,84.65 h1
  text "0,1мк" at 55.325,84.45 h1
  text "0,033мк" at 55.325,81.175 h1
  text "100мк" at 46.25,80.675 h1
  text "1мк" at 38.429,80.641 h1
  text "0,1мк" at 50.225,78.325 h1
  text "100" at 22.9,77.3 h1
  text "0,1мк" at 44.193,76.656 h1
  text "2,5к" at 16,76.4 h1
  text "DRV8876_CURRENT_2" at 38.175,76.239 h1 r90
  text "MC33926_CURRENT_2" at 40.583,76.117 h1 r90
  text "MOTOR 5" at 18.48,73.225 h1.6
  text "1к" at 16.875,67.75 h1
  text "0,1мк" at 67.85,66.475 h1
  text "MOTOR 2" at 80.325,66.475 h2.7
  text "0,1мк" at 25,66.125 h1
  text "0,033мк" at 32.825,65.6 h1
  text "0,1мк" at 59.325,63.3 h1
  text "0,1мк" at 33.625,62.9 h1
  text "100мк" at 61.8,61.15 h1 r90
  text "100мк" at 29.83,60.8 h1 r90
  text "47к" at 15.975,59.95 h1
  text "47к" at 74.1,58.8 h1
  text "0,1мк" at 59.6,56.825 h1
  text "0,1мк" at 33.825,56.65 h1
  text "1мк" at 32.525,55.18 h1
  text "0,033мк" at 61.325,54.225 h1
  text "0,1мк" at 67.85,53.325 h1
  text "0,1мк" at 24.825,53.3 h1
  text "MOTOR 4" at 22.402,50.991 h2.7
  text "1к" at 77.75,50.975 h1
  text "MC33926_CURRENT_1" at 31.8,49.075 h1
  text "DRV8876_CURRENT_1" at 31.825,46.75 h1
  text "1к" at 16.525,44.8 h1
  text "0,1мк" at 24.95,42.875 h1
  text "0,033мк" at 32.525,42.275 h1
  text "0,1мк" at 33.13,39.925 h1
  text "100мк" at 29.88,37.725 h1 r90
  text "47к" at 16.2,36.925 h1
  text "0,1мк" at 35.2,34.875 h1
  text "0,1мк" at 28.65,30.425 h1
  text "MOTOR 1" at 22.55,27.6 h2.7
  text "0,1мк" at 16.806,17.739 h1
  text "0,1мк" at 22.2,12.075 h1
Mechanical 1:
  circle w0.025: c57.512,106.192 r1.65
  circle w0.025: c33.512,106.192 r1.65
  circle w0.025: c57.512,14.192 r1.65
  circle w0.025: c16.621,102.392 r1.1
  circle w0.025: c87.512,49.192 r1.65
  circle w0.025: c7.312,90.584 r1.1
  circle w0.025: c3.512,49.192 r1.65
  circle w0.025: c87.512,71.192 r1.65
  circle w0.025: c84.512,60.192 r1.5
  circle w0.025: c86.312,15.392 r1.65
  circle w0.025: c77.192,63.192 r0.5
  circle w0.025: c77.192,57.192 r0.5
  circle w0.025: c45.512,103.192 r1.5
  circle w0.025: c42.512,95.872 r0.5
  circle w0.025: c48.512,95.872 r0.5
  circle w0.025: c20.437,102.392 r1.1
  circle w0.025: c13.832,63.192 r0.5
  circle w0.025: c13.832,57.192 r0.5
  circle w0.025: c13.832,40.192 r0.5
  circle w0.025: c13.832,34.192 r0.5
  circle w0.025: c4.712,104.992 r1.65
  circle w0.025: c7.312,86.768 r1.1
  circle w0.025: c3.512,71.192 r1.65
  circle w0.025: c6.512,60.192 r1.5
  circle w0.025: c6.512,37.192 r1.5
  circle w0.025: c77.192,60.192 r0.5
  circle w0.025: c48.512,98.872 r0.5
  circle w0.025: c42.512,98.872 r0.5
  circle w0.025: c13.832,60.192 r0.5
  circle w0.025: c13.832,37.192 r0.5
  circle w0.025: c80.192,63.192 r0.5
  circle w0.025: c80.192,57.192 r0.5
  circle w0.025: c45.512,95.872 r0.5
  circle w0.025: c10.832,63.192 r0.5
  circle w0.025: c10.832,57.192 r0.5
  circle w0.025: c10.832,34.192 r0.5
  circle w0.025: c10.832,40.192 r0.5
  circle w0.025: c80.192,60.192 r0.5
  circle w0.025: c45.512,98.872 r0.5
  circle w0.025: c10.832,60.192 r0.5
  circle w0.025: c10.832,37.192 r0.5
  lines w0.025: 32.732,2.763 33.172,2.763 33.172,3.202 32.732,3.202 32.732,2.763 ; 35.272,2.763 35.712,2.763 35.712,3.202 35.272,3.202 35.272,2.763 ; 37.832,2.763 38.272,2.763 38.272,3.202 37.832,3.202 37.832,2.763 ; 40.372,2.763 40.812,2.763 40.812,3.202 40.372,3.202 40.372,2.763 ; 42.912,2.763 42.912,3.202 43.352,3.202 43.352,2.763 42.912,2.763 ; 45.452,2.763 45.452,3.202 45.892,3.202 45.892,2.763 45.452,2.763 ; 47.992,2.763 48.432,2.763 48.432,3.202 47.992,3.202 47.992,2.763 ; 50.532,2.763 50.972,2.763 50.972,3.202 50.532,3.202 50.532,2.763 ; 70.122,23.642 70.122,23.882 70.363,23.882 70.363,23.642 70.122,23.642 ; 70.122,73.642 70.122,73.882 70.363,73.882 70.363,73.642 70.122,73.642 ; 72.662,46.502 72.662,46.742 72.903,46.742 72.903,46.502 72.662,46.502 ; 72.662,96.502 72.662,96.742 72.903,96.742 72.903,96.502 72.662,96.502 ; 80.812,85.455 81.212,85.455 81.212,85.775 80.812,85.775 80.812,85.455 ; 80.812,94.455 80.812,94.775 81.212,94.775 81.212,94.455 80.812,94.455
  lines w0.2: 12.4,25.425 79.05,25.425 79.05,97.35 12.4,97.35 12.4,25.425